# Altium PCB KlusterLab r2.0.PcbDoc (part 10 of 22) (continued)
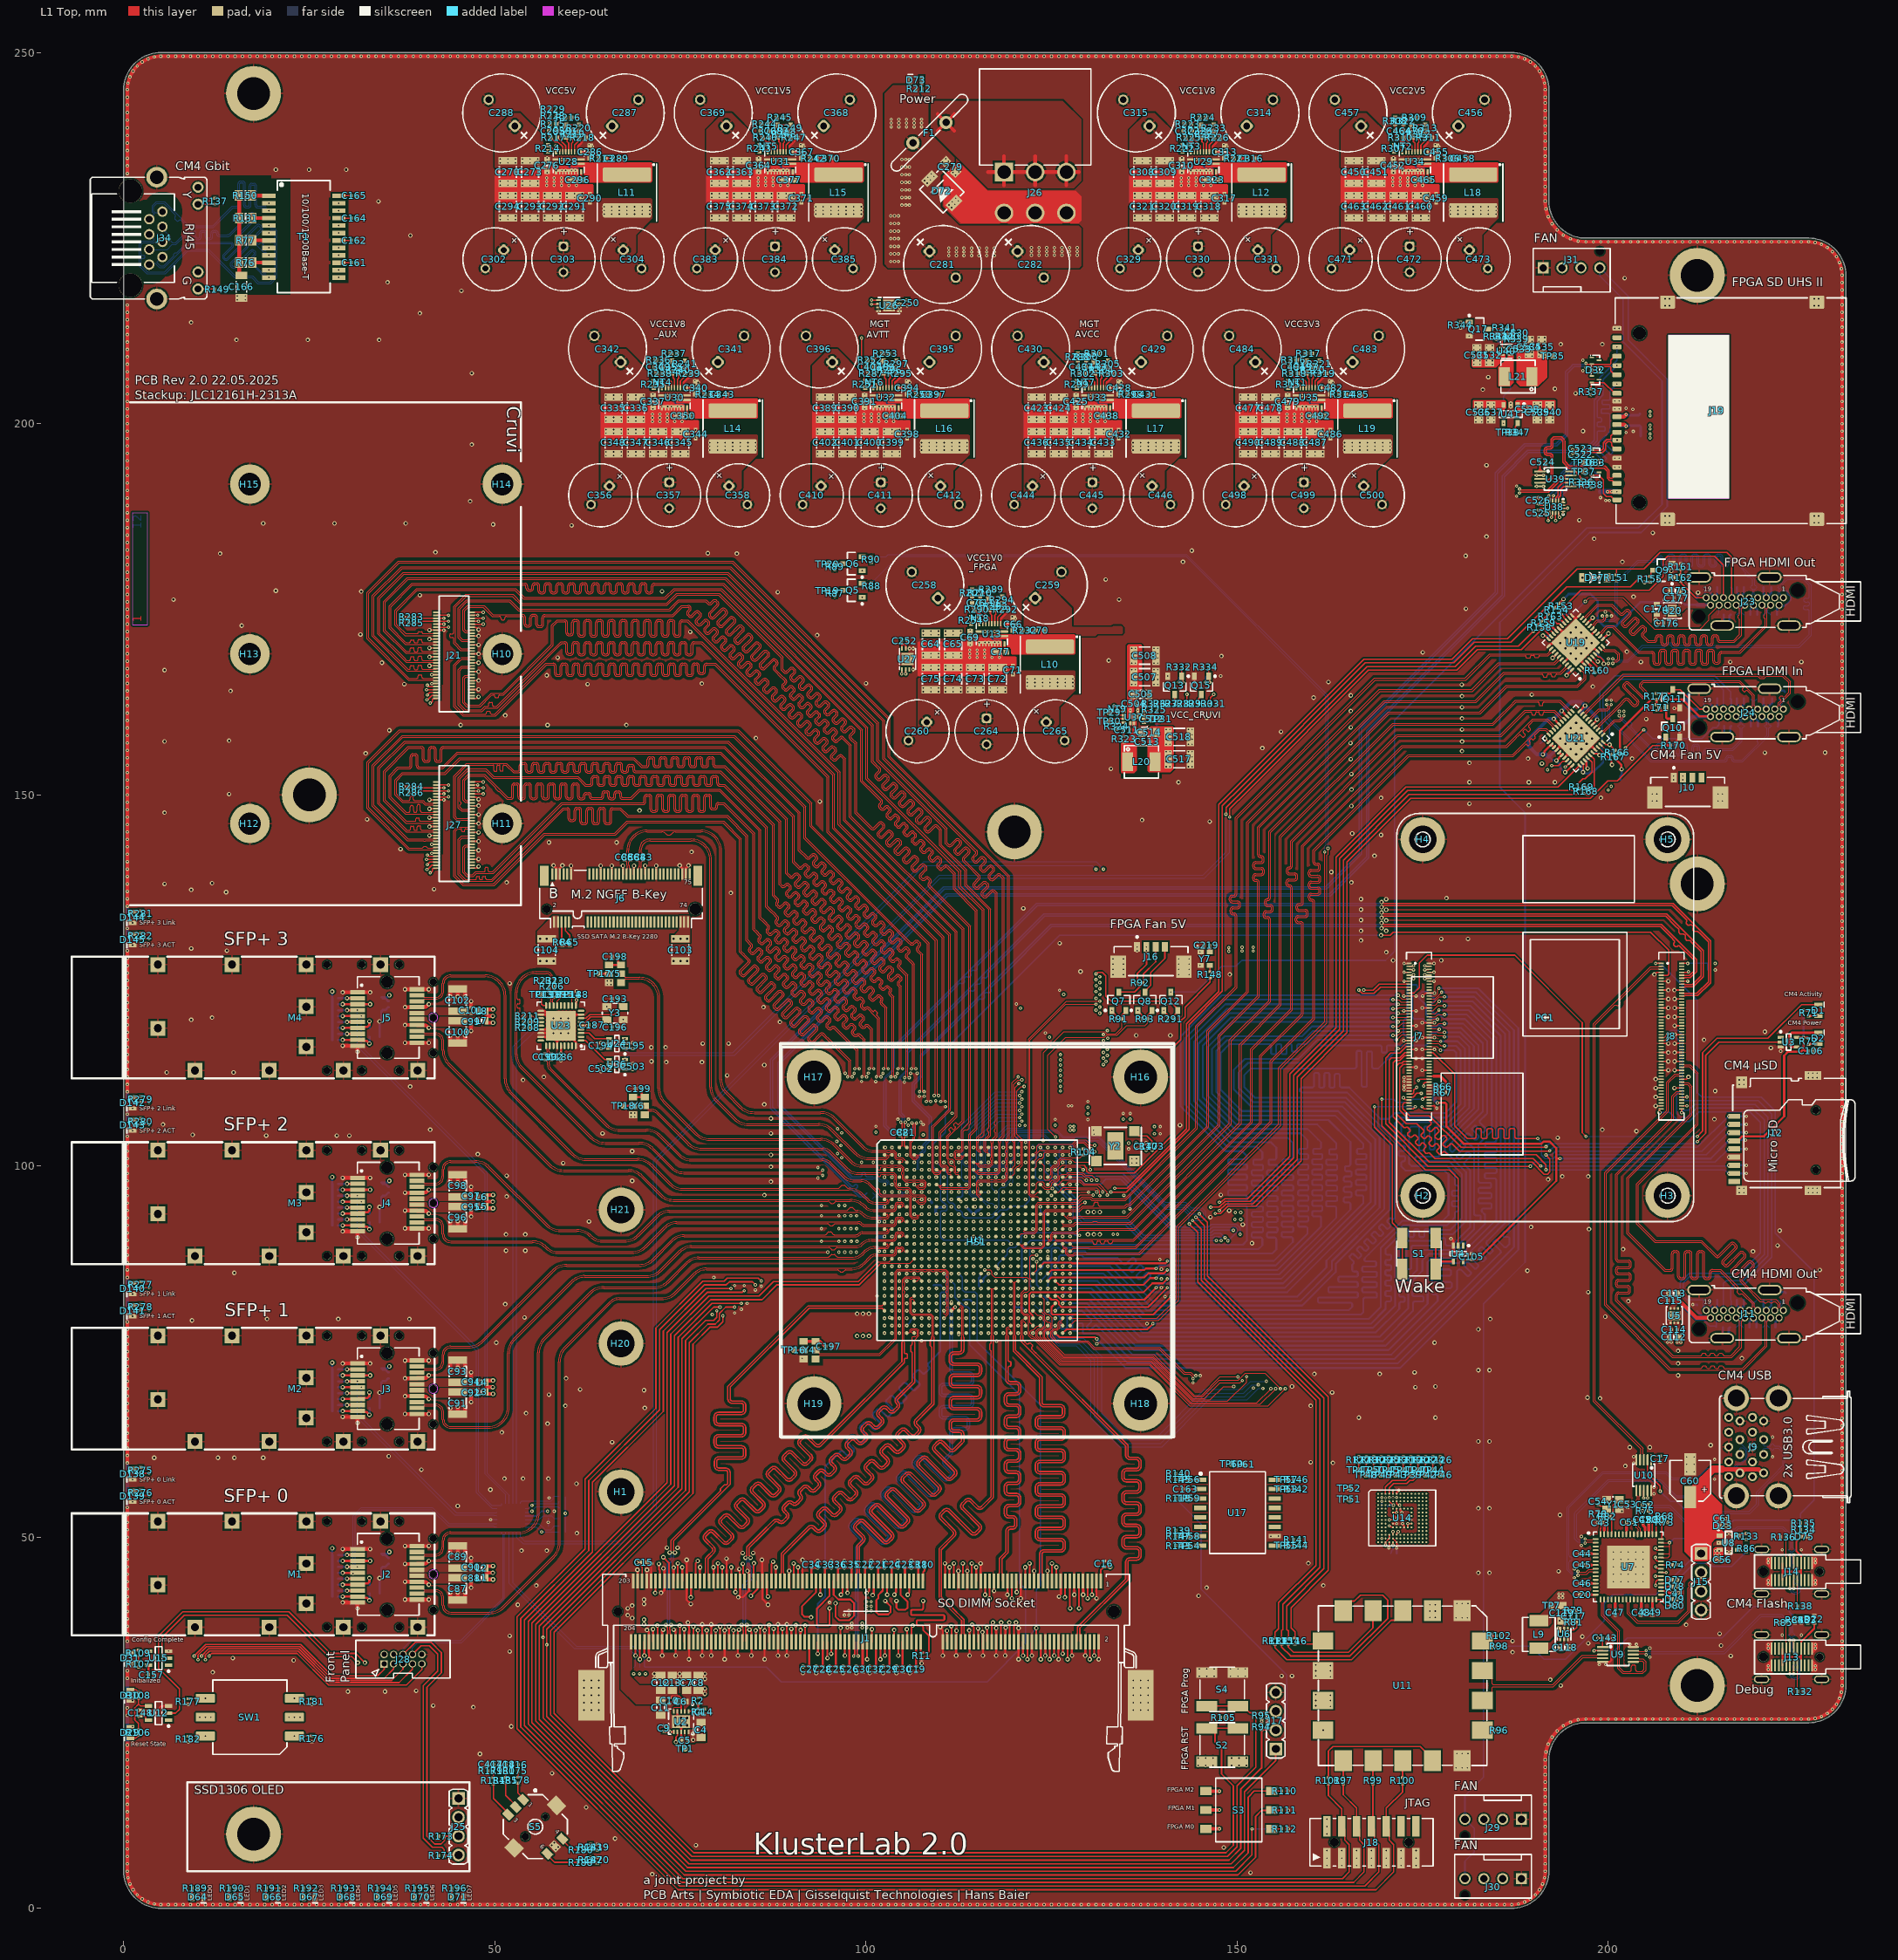
[diagram p0: L1 Top view]
## Nets (pads, with @x,y where several pads share a name; then routed paths per layer and width w, separated by ;. In a path a pad name is that pad's centre, name@x,y a point inside that pad or via, vN(x,y) a via of type N, cw(c..) or ccw(c..) an arc to the next point about the centre after c; other vN are vias at no path point) (continued)
DDR3_CLK1_P: J1.102 U1.AA9 | length 121.3
  L1 Top w0.189: 98.808,34.213 98.808,34.783 98.869,34.844 98.869,35.819 J1.102@98.95,35.9
  L12 Bottom w0.1: v1(110.5,82.5) 110.559,82.5 110.759,82.3 110.924,82.3 111.1,82.124 111.1,81.666 111.1,81.083 111.241,80.941 111.323,80.941
  L12 Bottom w0.189: v1(98.95,34) 98.95,34.071 98.808,34.213 98.808,34.569 98.9,34.662 98.9,48.5 99.283,48.883 99.461,49.061 ccw(c99.028,49.494) 99.461,49.927 98.104,51.284 cw(c98.314,51.494) 98.104,51.704 98.524,52.125 cw(c98.734,51.915) 98.944,52.125 101.82,49.25 ccw(c102.253,49.683) 102.686,49.25 103.106,49.67 ccw(c102.673,50.103) 103.106,50.536 100.231,53.411 cw(c100.441,53.621) 100.231,53.831 100.651,54.252 cw(c100.861,54.042) 101.071,54.252 103.946,51.377 ccw(c104.38,51.81) 104.813,51.377 105.233,51.797 ccw(c104.8,52.23) 105.233,52.663 102.358,55.538 cw(c102.568,55.748) 102.358,55.958 102.778,56.379 cw(c102.988,56.169) 103.198,56.379 106.073,53.504 ccw(c106.507,53.937) 106.94,53.504 107.36,53.924 ccw(c106.927,54.357) 107.36,54.79 104.485,57.665 cw(c104.695,57.875) 104.485,58.085 104.905,58.506 cw(c105.115,58.295) 105.325,58.506 108.2,55.631 ccw(c108.634,56.064) 109.067,55.631 109.487,56.051 ccw(c109.054,56.484) 109.487,56.917 106.612,59.792 cw(c106.822,60.002) 106.612,60.212 107.032,60.633 cw(c107.242,60.422) 107.452,60.633 110.327,57.758 ccw(c110.761,58.191) 111.194,57.758 111.614,58.178 ccw(c111.181,58.611) 111.614,59.044 110.739,59.919 cw(c110.949,60.129) 110.739,60.339 111.616,61.216 111.616,61.962 111.616,62.3 111.615,64.117 cw(c111.913,64.117) 111.913,64.414 113.346,64.414 ccw(c113.346,65.027) 113.959,65.027 113.959,65.621 ccw(c113.346,65.621) 113.346,66.234 110.49,66.234 cw(c110.49,66.531) 110.193,66.531 110.193,67.125 cw(c110.49,67.125) 110.49,67.422 113.895,67.422 ccw(c113.895,68.035) 114.508,68.035 114.508,68.629 ccw(c113.895,68.629) 113.895,69.242 110.49,69.242 cw(c110.49,69.539) 110.193,69.539 110.193,70.133 cw(c110.49,70.133) 110.49,70.43 113.895,70.43 ccw(c113.895,71.043) 114.508,71.043 114.508,71.637 ccw(c113.895,71.637) 113.895,72.25 111.913,72.25 cw(c111.913,72.547) 111.615,72.547 111.615,72.799 111.616,80.649 111.323,80.941
DDR3_D0: J1.5 U1.AB17 | length 91
  L1 Top w0.249: v2(130.45,42.25) J1.5@130.45,44.1
  L3 Inner2 (Sig) w0.154: v1(118.5,81.5) 119,82 121.8,82 122,81.8 122,81.3 122.3,81 125.6,81 126,80.6 126,80.4 126.7,79.7 126.7,79.4 126.7,79.323 ccw(c126.854,79.323) 126.854,79.169 128.245,79.169 cw(c128.245,79.018) 128.396,79.018 128.396,78.716 cw(c128.245,78.716) 128.245,78.565 126.207,78.565 ccw(c126.207,78.414) 126.056,78.414 126.056,78.112 ccw(c126.207,78.112) 126.207,77.961 126.949,77.961 cw(c126.949,77.81) 127.1,77.81 127.1,77.508 cw(c126.949,77.508) 126.949,77.357 126.854,77.357 ccw(c126.854,77.203) 126.7,77.203 126.7,76.472 126.7,76.419 126.7,76.4 127.173,75.927 ccw(c127.282,76.036) 127.391,75.927 127.675,76.211 cw(c127.782,76.105) 127.889,76.211 128.103,75.998 cw(c127.996,75.891) 128.103,75.784 127.7,75.381 ccw(c127.806,75.275) 127.7,75.168 127.913,74.954 ccw(c128.02,75.061) 128.127,74.954 128.53,75.357 ; 128.53,75.357 cw(c128.636,75.25) 128.743,75.357 128.957,75.144 cw(c128.85,75.037) 128.957,74.93 128.554,74.527 ccw(c128.661,74.42) 128.554,74.314 128.767,74.1 ccw(c128.874,74.207) 128.981,74.1 129.384,74.503 cw(c129.491,74.396) 129.597,74.503 129.811,74.289 cw(c129.704,74.183) 129.811,74.076 129.408,73.673 ccw(c129.515,73.566) 129.408,73.459 129.622,73.246 ccw(c129.728,73.353) 129.835,73.246 130.238,73.649 cw(c130.345,73.542) 130.452,73.649 130.665,73.435 cw(c130.558,73.328) 130.665,73.222 130.381,72.937 ccw(c130.49,72.828) 130.381,72.719 130.862,72.238 ; v2(130.45,42.25) 130.9,42.7 ; 130.9,42.7 130.9,72.2 130.9,42.7
DDR3_D1: J1.7 U1.AC18 | length 58.2
  L1 Top w0.249: v2(129.85,41.75) J1.7@129.85,44.1
  L3 Inner2 (Sig) w0.154: v1(119.5,80.5) 120,81 121.8,81 122.2,80.6 123.8,80.6 123.9,80.5 124.4,80 124.569,80 125,79.569 125,78.233 125,78.156 ccw(c125.154,78.156) 125.154,78.002 125.349,78.002 cw(c125.349,77.851) 125.5,77.851 125.5,77.549 cw(c125.349,77.549) 125.349,77.398 125.099,77.398 ccw(c125.099,77.247) 124.948,77.247 124.948,76.945 ccw(c125.099,76.945) 125.099,76.794 125.349,76.794 cw(c125.349,76.643) 125.5,76.643 125.5,76.341 cw(c125.349,76.341) 125.349,76.19 125.154,76.19 ccw(c125.154,76.036) 125,76.036 125,75.7 125.109,75.591 125.164,75.536 ccw(c125.272,75.645) 125.381,75.536 125.909,76.064 cw(c126.015,75.957) 126.122,76.064 126.336,75.85 cw(c126.229,75.743) 126.336,75.637 125.703,75.004 ccw(c125.81,74.897) 125.703,74.79 125.916,74.577 ccw(c126.023,74.683) 126.13,74.577 126.763,75.209 cw(c126.87,75.103) 126.976,75.209 127.19,74.996 cw(c127.083,74.889) 127.19,74.782 126.557,74.149 ccw(c126.664,74.043) 126.557,73.936 126.771,73.722 ccw(c126.877,73.829) 126.984,73.722 127.617,74.355 cw(c127.724,74.248) 127.831,74.355 128.044,74.142 cw(c127.937,74.035) 128.044,73.928 127.517,73.401 ccw(c127.626,73.292) 127.517,73.183 127.913,72.788 128,72.7 128,50 129.85,48.15 129.85,47.213 129.85,47.136 ccw(c130.004,47.136) 130.004,46.982 130.199,46.982 cw(c130.199,46.831) 130.35,46.831 130.35,46.529 cw(c130.199,46.529) 130.199,46.378 129.983,46.378 ccw(c129.983,46.226) 129.832,46.226 129.832,45.924 ccw(c129.983,45.924) 129.983,45.773 130.199,45.773 cw(c130.199,45.622) 130.35,45.622 130.35,45.32 cw(c130.199,45.32) 130.199,45.169 129.983,45.169 ccw(c129.983,45.018) 129.832,45.018 129.832,44.716 ccw(c129.983,44.716) 129.983,44.565 130.081,44.565 cw(c130.081,44.414) 130.232,44.414 130.232,44.112 cw(c130.081,44.112) 130.081,43.961 130.004,43.961 ccw(c130.004,43.807) 129.85,43.807 129.85,42.8 v2(129.85,41.75)
DDR3_D2: J1.15 U1.AC17 | length 61.7
  L1 Top w0.249: J1.15@127.45,44.1 127.475,44.075 127.475,40.425 v2(127.5,40.4)
  L3 Inner2 (Sig) w0.154: v1(118.5,80.5) 118.518,80.482 118.818,80.482 119.3,80 120.8,80 121.5,79.3 122.9,79.3 124,78.2 124,74.2 124.15,74.05 124.204,73.996 ccw(c124.313,74.104) 124.422,73.996 124.684,74.257 cw(c124.79,74.15) 124.897,74.257 125.111,74.043 cw(c125.004,73.936) 125.111,73.83 124.705,73.424 ccw(c124.811,73.317) 124.705,73.21 124.918,72.997 ccw(c125.025,73.103) 125.132,72.997 125.538,73.403 cw(c125.645,73.296) 125.751,73.403 125.965,73.189 cw(c125.858,73.082) 125.965,72.975 125.559,72.569 ccw(c125.666,72.463) 125.559,72.356 125.772,72.142 ccw(c125.879,72.249) 125.986,72.142 126.368,72.524 cw(c126.475,72.418) 126.582,72.524 126.795,72.311 cw(c126.688,72.204) 126.795,72.097 126.558,71.86 ccw(c126.667,71.751) 126.558,71.642 126.925,71.275 127,71.2 127,49.3 128,48.3 128,47.122 128,46.441 cw(c127.846,46.441) 127.846,46.287 127.808,46.287 ccw(c127.808,46.136) 127.657,46.136 127.657,45.834 ccw(c127.808,45.834) 127.808,45.683 128.134,45.683 cw(c128.134,45.532) 128.285,45.532 128.285,45.23 cw(c128.134,45.23) 128.134,45.079 127.808,45.079 ccw(c127.808,44.928) 127.657,44.928 127.657,44.626 ccw(c127.808,44.626) 127.808,44.475 127.846,44.475 cw(c127.846,44.321) 128,44.321 128,43.514 128,43.5 127.45,42.95 127.45,41.55 126.4,40.5 126.4,39.6 127,39 127,38.2 127.2,38 127.8,38 127.936,38.136 127.936,39.964 v2(127.5,40.4)
DDR3_D3: J1.17 U1.AD19 | length 59.2
  L1 Top w0.249: v2(126.8,41.9) 126.825,41.925 126.825,44.075 J1.17@126.85,44.1
  L3 Inner2 (Sig) w0.154: v1(120.5,79.5) 120.556,79.444 120.956,79.444 121.5,78.9 122.8,78.9 123.5,78.2 123.5,73.4 126.5,70.4 126.5,49.1 126.85,48.75 126.85,48.5 126.85,48.423 ccw(c127.004,48.423) 127.004,48.269 127.185,48.269 cw(c127.185,48.118) 127.336,48.118 127.336,47.816 cw(c127.185,47.816) 127.185,47.665 125.075,47.665 ccw(c125.075,47.514) 124.924,47.514 124.924,47.212 ccw(c125.075,47.212) 125.075,47.061 127.185,47.061 cw(c127.185,46.91) 127.336,46.91 127.336,46.608 cw(c127.185,46.608) 127.185,46.457 126.278,46.457 ccw(c126.278,46.306) 126.127,46.306 126.127,46.004 ccw(c126.278,46.004) 126.278,45.853 127.185,45.853 cw(c127.185,45.702) 127.336,45.702 127.336,45.4 cw(c127.185,45.4) 127.185,45.249 125.074,45.249 ccw(c125.074,45.098) 124.923,45.098 124.923,44.796 ccw(c125.074,44.796) 125.074,44.645 127.045,44.645 cw(c127.045,44.494) 127.196,44.494 127.196,44.192 cw(c127.045,44.192) 127.045,44.041 124.907,44.041 ccw(c124.907,43.89) 124.756,43.89 124.756,43.588 ccw(c124.907,43.588) 124.907,43.437 126.696,43.437 cw(c126.696,43.283) 126.85,43.283 126.85,42.7 126.85,41.95 v2(126.8,41.9)
DDR3_D4: J1.4 U1.AA19 | length 60.7
  L1 Top w0.249: v2(130.75,34.05) J1.4@130.75,35.9
  L3 Inner2 (Sig) w0.154: v1(120.5,82.5) 121,83 125.1,83 126.1,82 127.7,82 132.1,77.6 132.1,41 130.75,39.65 130.75,39.4 130.75,39.323 ccw(c130.904,39.323) 130.904,39.169 131.054,39.169 cw(c131.054,39.018) 131.205,39.018 131.205,38.716 cw(c131.054,38.716) 131.054,38.565 130.904,38.565 ccw(c130.904,38.411) 130.75,38.411 130.75,35.3 v2(130.75,34.05)
DDR3_D5: J1.6 U1.AA20 | length 58.8
  L1 Top w0.249: v2(130.15,33.55) J1.6@130.15,35.9
  L3 Inner2 (Sig) w0.154: v1(121.5,82.5) 121.518,82.482 121.818,82.482 122.3,82 125.2,82 126.2,81 127.7,81 131.6,77.1 131.6,41.2 130.15,39.75 v2(130.15,33.55)
DDR3_D6: J1.16 U1.AD18 | length 58.1
  L1 Top w0.249: v2(127.15,33.55) J1.16@127.15,35.9
  L3 Inner2 (Sig) w0.154: v1(119.5,79.5) 120,79 120.8,79 121.35,78.45 122.45,78.45 123,77.9 123,72.7 126,69.7 126,49.1 123.9,47 123.9,40.6 124.1,40.4 124.154,40.346 ccw(c124.263,40.454) 124.372,40.346 124.51,40.483 cw(c124.617,40.377) 124.724,40.483 124.937,40.27 cw(c124.831,40.163) 124.937,40.056 124.444,39.563 ccw(c124.551,39.456) 124.444,39.349 124.657,39.136 ccw(c124.764,39.242) 124.871,39.136 125.364,39.629 cw(c125.471,39.522) 125.578,39.629 125.792,39.416 cw(c125.685,39.309) 125.792,39.202 125.323,38.734 ccw(c125.43,38.627) 125.323,38.52 125.537,38.307 ccw(c125.644,38.413) 125.75,38.307 126.081,38.637 cw(c126.188,38.53) 126.294,38.637 126.508,38.424 cw(c126.401,38.317) 126.508,38.21 ccw(c126.617,38.101) 126.508,37.992 126.85,37.65 127.15,37.35 v2(127.15,33.55)
DDR3_D7: J1.18 U1.AC16 | length 58.4
  L1 Top w0.249: v2(126.5,34.3) 126.525,34.325 126.525,35.875 J1.18@126.55,35.9
  L3 Inner2 (Sig) w0.154: v1(117.5,80.5) 118,80 118.7,80 119,79.7 119,79.2 120.2,78 121.7,78 122,77.7 122,72.4 125.5,68.9 125.5,49.5 123.4,47.4 123.4,38.9 123.531,38.769 124.012,38.288 cw(c123.904,38.179) 124.012,38.07 123.633,37.69 ccw(c123.739,37.583) 123.633,37.476 123.846,37.263 ccw(c123.953,37.369) 124.06,37.263 124.491,37.694 cw(c124.598,37.587) 124.704,37.694 124.918,37.48 cw(c124.811,37.373) 124.918,37.267 124.487,36.836 ccw(c124.594,36.729) 124.487,36.622 124.7,36.408 ccw(c124.807,36.515) 124.914,36.408 125.345,36.84 cw(c125.452,36.733) 125.559,36.84 125.772,36.626 cw(c125.665,36.519) 125.772,36.412 125.597,36.237 ccw(c125.704,36.13) 125.597,36.024 125.81,35.81 ccw(c125.917,35.917) 126.024,35.81 126.148,35.934 cw(c126.257,35.825) 126.366,35.934 126.55,35.75 126.55,35.606 126.55,34.35 v2(126.5,34.3)
DDR3_D8: J1.21 U1.V16 | length 65.4
  L1 Top w0.249: J1.21@125.65,44.1 v2(125.65,45.95)
  L10 Inner9 (Sig) w0.154: v1(117.5,85.5) 117.525,85.525 117.956,85.525 118.431,86 119,86 119.8,86 120,86.2 124.1,86.2 124.3,86 127.569,86 130,83.569 130,73.7 130,50.3 129.75,50.05 127.931,48.231 ccw(c128.04,48.122) 127.931,48.013 129.359,46.584 cw(c129.252,46.478) 129.359,46.371 129.146,46.157 cw(c129.039,46.264) 128.932,46.157 127.346,47.743 ccw(c127.24,47.636) 127.133,47.743 126.919,47.529 ccw(c127.026,47.423) 126.919,47.316 128.871,45.364 cw(c128.764,45.257) 128.871,45.15 128.658,44.937 cw(c128.551,45.044) 128.444,44.937 126.649,46.732 ccw(c126.54,46.623) 126.432,46.732 125.95,46.25 v2(125.65,45.95)
DDR3_D9: J1.23 U1.V18 | length 70.6
  L1 Top w0.249: J1.23@125.05,44.1 v2(125.05,46.45)
  L10 Inner9 (Sig) w0.154: v1(119.5,85.5) 119.518,85.518 119.818,85.518 120.202,85.902 121.898,85.902 121.9,85.9 122.932,85.9 122.934,85.902 123.898,85.902 124.8,85 127.8,85 129.5,83.3 129.5,75 129.5,63.1 129.5,62.699 cw(c129.346,62.699) 129.346,62.545 129.151,62.545 ccw(c129.151,62.394) 129,62.394 129,62.092 ccw(c129.151,62.092) 129.151,61.941 129.386,61.941 cw(c129.386,61.79) 129.537,61.79 129.537,61.488 cw(c129.386,61.488) 129.386,61.337 129.151,61.337 ccw(c129.151,61.186) 129,61.186 129,60.884 ccw(c129.151,60.884) 129.151,60.733 129.386,60.733 cw(c129.386,60.582) 129.537,60.582 129.537,60.28 cw(c129.386,60.28) 129.386,60.129 129.151,60.129 ccw(c129.151,59.978) 129,59.978 129,59.676 ccw(c129.151,59.676) 129.151,59.525 129.386,59.525 cw(c129.386,59.374) 129.537,59.374 129.537,59.072 cw(c129.386,59.072) 129.386,58.921 129.151,58.921 ccw(c129.151,58.77) 129,58.77 129,58.468 ccw(c129.151,58.468) 129.151,58.317 129.386,58.317 cw(c129.386,58.166) 129.537,58.166 129.537,57.864 cw(c129.386,57.864) 129.386,57.713 129.151,57.713 ccw(c129.151,57.562) 129,57.562 129,57.26 ccw(c129.151,57.26) 129.151,57.109 129.386,57.109 cw(c129.386,56.958) 129.537,56.958 129.537,56.656 cw(c129.386,56.656) 129.386,56.505 129.151,56.505 ccw(c129.151,56.354) 129,56.354 129,56.052 ccw(c129.151,56.052) 129.151,55.901 129.386,55.901 cw(c129.386,55.75) 129.537,55.75 129.537,55.448 cw(c129.386,55.448) 129.386,55.297 129.151,55.297 ccw(c129.151,55.146) 129,55.146 129,54.844 ccw(c129.151,54.844) 129.151,54.693 129.386,54.693 cw(c129.386,54.542) 129.537,54.542 129.537,54.24 cw(c129.386,54.24) 129.386,54.089 129.151,54.089 ccw(c129.151,53.938) 129,53.938 129,53.636 ccw(c129.151,53.636) 129.151,53.485 129.346,53.485 cw(c129.346,53.331) 129.5,53.331 129.5,53.254 129.5,53 129.3,52.8 128.958,52.458 ccw(c129.067,52.349) 128.958,52.24 129.639,51.559 cw(c129.532,51.453) 129.639,51.346 129.426,51.132 cw(c129.319,51.239) 129.212,51.132 128.395,51.95 ccw(c128.288,51.843) 128.181,51.95 127.968,51.736 ccw(c128.074,51.629) 127.968,51.523 128.972,50.518 cw(c128.866,50.411) 128.972,50.304 128.759,50.091 cw(c128.652,50.197) 128.545,50.091 127.541,51.095 ccw(c127.434,50.989) 127.327,51.095 127.113,50.882 ccw(c127.22,50.775) 127.113,50.668 128.118,49.664 cw(c128.012,49.557) 128.118,49.45 127.905,49.236 cw(c127.798,49.343) 127.691,49.236 126.686,50.241 ccw(c126.58,50.135) 126.473,50.241 126.259,50.028 ccw(c126.366,49.921) 126.259,49.814 127.264,48.809 cw(c127.157,48.703) 127.264,48.596 127.051,48.382 cw(c126.944,48.489) 126.837,48.382 125.969,49.251 ccw(c125.86,49.142) 125.751,49.251 125.269,48.769 125.05,48.55 v2(125.05,46.45)
DDR3_D10: J1.33 U1.AB20 | length 66.8
  L1 Top w0.249: J1.33@122.05,44.1 v2(122.05,46.45)
  L10 Inner9 (Sig) w0.154: v1(121.5,81.5) 121.557,81.443 121.857,81.443 122.3,81 123.6,81 124,80.6 124,76.7 124.8,75.9 124.8,75.7 124.8,72.434 ccw(c124.954,72.434) 124.954,72.28 125.204,72.28 cw(c125.204,72.129) 125.355,72.129 125.355,71.827 cw(c125.204,71.827) 125.204,71.676 124.507,71.676 ccw(c124.507,71.525) 124.356,71.525 124.356,71.223 ccw(c124.507,71.223) 124.507,71.072 125.204,71.072 cw(c125.204,70.921) 125.355,70.921 125.355,70.619 cw(c125.204,70.619) 125.204,70.468 124.507,70.468 ccw(c124.507,70.317) 124.356,70.317 124.356,70.015 ccw(c124.507,70.015) 124.507,69.864 125.204,69.864 cw(c125.204,69.713) 125.355,69.713 125.355,69.411 cw(c125.204,69.411) 125.204,69.26 124.507,69.26 ccw(c124.507,69.109) 124.356,69.109 124.356,68.807 ccw(c124.507,68.807) 124.507,68.656 125.204,68.656 cw(c125.204,68.505) 125.355,68.505 125.355,68.203 cw(c125.204,68.203) 125.204,68.052 124.507,68.052 ccw(c124.507,67.901) 124.356,67.901 124.356,67.599 ccw(c124.507,67.599) 124.507,67.448 125.204,67.448 cw(c125.204,67.297) 125.355,67.297 125.355,66.995 cw(c125.204,66.995) 125.204,66.844 124.507,66.844 ccw(c124.507,66.693) 124.356,66.693 124.356,66.391 ccw(c124.507,66.391) 124.507,66.24 125.204,66.24 cw(c125.204,66.089) 125.355,66.089 125.355,65.787 cw(c125.204,65.787) 125.204,65.636 124.507,65.636 ccw(c124.507,65.485) 124.356,65.485 124.356,65.183 ccw(c124.507,65.183) 124.507,65.032 125.204,65.032 cw(c125.204,64.881) 125.355,64.881 125.355,64.579 cw(c125.204,64.579) 125.204,64.428 124.507,64.428 ccw(c124.507,64.277) 124.356,64.277 124.356,63.975 ccw(c124.507,63.975) 124.507,63.824 125.204,63.824 cw(c125.204,63.673) 125.355,63.673 125.355,63.371 cw(c125.204,63.371) 125.204,63.22 124.507,63.22 ccw(c124.507,63.069) 124.356,63.069 124.356,62.767 ccw(c124.507,62.767) 124.507,62.616 125.204,62.616 cw(c125.204,62.465) 125.355,62.465 125.355,62.163 cw(c125.204,62.163) 125.204,62.012 124.507,62.012 ccw(c124.507,61.861) 124.356,61.861 124.356,61.559 ccw(c124.507,61.559) 124.507,61.408 125.204,61.408 cw(c125.204,61.257) 125.355,61.257 125.355,60.955 cw(c125.204,60.955) 125.204,60.804 124.507,60.804 ccw(c124.507,60.653) 124.356,60.653 124.356,60.351 ccw(c124.507,60.351) 124.507,60.2 125.204,60.2 cw(c125.204,60.049) 125.355,60.049 125.355,59.747 cw(c125.204,59.747) 125.204,59.596 124.507,59.596 ccw(c124.507,59.445) 124.356,59.445 124.356,59.143 ccw(c124.507,59.143) 124.507,58.992 125.204,58.992 cw(c125.204,58.841) 125.355,58.841 125.355,58.539 cw(c125.204,58.539) 125.204,58.388 124.507,58.388 ccw(c124.507,58.237) 124.356,58.237 124.356,57.935 ccw(c124.507,57.935) 124.507,57.784 125.204,57.784 cw(c125.204,57.633) 125.355,57.633 125.355,57.331 cw(c125.204,57.331) 125.204,57.18 124.507,57.18 ccw(c124.507,57.029) 124.356,57.029 124.356,56.727 ccw(c124.507,56.727) 124.507,56.576 125.204,56.576 cw(c125.204,56.425) 125.355,56.425 125.355,56.123 cw(c125.204,56.123) 125.204,55.972 124.507,55.972 ccw(c124.507,55.821) 124.356,55.821 124.356,55.519 ccw(c124.507,55.519) 124.507,55.368 125.204,55.368 cw(c125.204,55.217) 125.355,55.217 125.355,54.915 cw(c125.204,54.915) 125.204,54.764 124.507,54.764 ccw(c124.507,54.613) 124.356,54.613 124.356,54.311 ccw(c124.507,54.311) 124.507,54.16 124.646,54.16 cw(c124.646,54.006) 124.8,54.006 124.8,53.929 124.8,53.6 122.05,50.85 v2(122.05,46.45)
DDR3_D11: J1.35 U1.AB19 | length 68.3
  L1 Top w0.249: J1.35@121.45,44.1 v2(121.45,45.95)
  L10 Inner9 (Sig) w0.154: v1(120.5,81.5) 120.556,81.444 120.856,81.444 121.3,81 121.8,81 122.95,79.85 122.95,79.25 123.5,78.7 123.5,74.8 123.5,74.702 123.5,71.901 cw(c123.346,71.901) 123.346,71.747 123.051,71.747 ccw(c123.051,71.596) 122.9,71.596 122.9,71.294 ccw(c123.051,71.294) 123.051,71.143 123.489,71.143 cw(c123.489,70.992) 123.64,70.992 123.64,70.69 cw(c123.489,70.69) 123.489,70.539 122.684,70.539 ccw(c122.684,70.388) 122.533,70.388 122.533,70.086 ccw(c122.684,70.086) 122.684,69.935 123.489,69.935 cw(c123.489,69.784) 123.64,69.784 123.64,69.482 cw(c123.489,69.482) 123.489,69.331 122.684,69.331 ccw(c122.684,69.18) 122.533,69.18 122.533,68.878 ccw(c122.684,68.878) 122.684,68.727 123.489,68.727 cw(c123.489,68.576) 123.64,68.576 123.64,68.274 cw(c123.489,68.274) 123.489,68.123 122.684,68.123 ccw(c122.684,67.972) 122.533,67.972 122.533,67.67 ccw(c122.684,67.67) 122.684,67.519 123.489,67.519 cw(c123.489,67.368) 123.64,67.368 123.64,67.066 cw(c123.489,67.066) 123.489,66.915 122.684,66.915 ccw(c122.684,66.764) 122.533,66.764 122.533,66.462 ccw(c122.684,66.462) 122.684,66.311 123.489,66.311 cw(c123.489,66.16) 123.64,66.16 123.64,65.858 cw(c123.489,65.858) 123.489,65.707 122.684,65.707 ccw(c122.684,65.556) 122.533,65.556 122.533,65.254 ccw(c122.684,65.254) 122.684,65.103 123.489,65.103 cw(c123.489,64.952) 123.64,64.952 123.64,64.65 cw(c123.489,64.65) 123.489,64.499 122.684,64.499 ccw(c122.684,64.348) 122.533,64.348 122.533,64.046 ccw(c122.684,64.046) 122.684,63.895 123.489,63.895 cw(c123.489,63.744) 123.64,63.744 123.64,63.442 cw(c123.489,63.442) 123.489,63.291 122.684,63.291 ccw(c122.684,63.14) 122.533,63.14 122.533,62.838 ccw(c122.684,62.838) 122.684,62.687 123.489,62.687 cw(c123.489,62.536) 123.64,62.536 123.64,62.234 cw(c123.489,62.234) 123.489,62.083 122.684,62.083 ccw(c122.684,61.932) 122.533,61.932 122.533,61.63 ccw(c122.684,61.63) 122.684,61.479 123.489,61.479 cw(c123.489,61.328) 123.64,61.328 123.64,61.026 cw(c123.489,61.026) 123.489,60.875 122.684,60.875 ccw(c122.684,60.724) 122.533,60.724 122.533,60.422 ccw(c122.684,60.422) 122.684,60.271 123.489,60.271 cw(c123.489,60.12) 123.64,60.12 123.64,59.818 cw(c123.489,59.818) 123.489,59.667 122.684,59.667 ccw(c122.684,59.516) 122.533,59.516 122.533,59.214 ccw(c122.684,59.214) 122.684,59.063 123.489,59.063 cw(c123.489,58.912) 123.64,58.912 123.64,58.61 cw(c123.489,58.61) 123.489,58.459 122.684,58.459 ccw(c122.684,58.308) 122.533,58.308 122.533,58.006 ccw(c122.684,58.006) 122.684,57.855 123.489,57.855 cw(c123.489,57.704) 123.64,57.704 123.64,57.402 cw(c123.489,57.402) 123.489,57.251 122.684,57.251 ccw(c122.684,57.1) 122.533,57.1 122.533,56.798 ccw(c122.684,56.798) 122.684,56.647 123.489,56.647 cw(c123.489,56.496) 123.64,56.496 123.64,56.194 cw(c123.489,56.194) 123.489,56.043 122.684,56.043 ccw(c122.684,55.892) 122.533,55.892 122.533,55.59 ccw(c122.684,55.59) 122.684,55.439 123.489,55.439 cw(c123.489,55.288) 123.64,55.288 123.64,54.986 cw(c123.489,54.986) 123.489,54.835 122.684,54.835 ccw(c122.684,54.684) 122.533,54.684 122.533,54.382 ccw(c122.684,54.382) 122.684,54.231 123.346,54.231 cw(c123.346,54.077) 123.5,54.077 123.5,54 123.5,53.3 121.45,51.25 v2(121.45,45.95)
DDR3_D12: J1.22 U1.W15 | length 71.3
  L1 Top w0.249: v2(125.35,34.05) J1.22@125.35,35.9
  L10 Inner9 (Sig) w0.154: v1(116.5,84.5) 117,85 117,86.2 117.65,86.85 117.998,86.85 118.148,87 119.7,87 120.1,86.6 124,86.6 124.4,87 127.6,87 130.5,84.1 130.5,74.6 130.5,45.7 127.5,42.7 127.5,41.3 125.35,39.15 v2(125.35,34.05)
DDR3_D13: J1.24 U1.V19 | length 70.3
  L1 Top w0.249: v2(124.75,33.55) J1.24@124.75,35.9
  L10 Inner9 (Sig) w0.154: v1(120.5,85.5) 120.518,85.482 120.818,85.482 121.3,85 124,85 124.5,84.5 125.9,84.5 126.4,84 127.8,84 129,82.8 129,75.6 129,74.652 cw(c128.846,74.652) 128.846,74.498 128.651,74.498 ccw(c128.651,74.347) 128.5,74.347 128.5,74.045 ccw(c128.651,74.045) 128.651,73.894 128.851,73.894 cw(c128.851,73.743) 129.002,73.743 129.002,73.441 cw(c128.851,73.441) 128.851,73.29 128.651,73.29 ccw(c128.651,73.139) 128.5,73.139 128.5,72.837 ccw(c128.651,72.837) 128.651,72.686 128.851,72.686 cw(c128.851,72.535) 129.002,72.535 129.002,72.233 cw(c128.851,72.233) 128.851,72.082 128.651,72.082 ccw(c128.651,71.931) 128.5,71.931 128.5,71.629 ccw(c128.651,71.629) 128.651,71.478 128.851,71.478 cw(c128.851,71.327) 129.002,71.327 129.002,71.025 cw(c128.851,71.025) 128.851,70.874 128.651,70.874 ccw(c128.651,70.723) 128.5,70.723 128.5,70.421 ccw(c128.651,70.421) 128.651,70.27 128.851,70.27 cw(c128.851,70.119) 129.002,70.119 129.002,69.817 cw(c128.851,69.817) 128.851,69.666 128.651,69.666 ccw(c128.651,69.515) 128.5,69.515 128.5,69.213 ccw(c128.651,69.213) 128.651,69.062 128.851,69.062 cw(c128.851,68.911) 129.002,68.911 129.002,68.609 cw(c128.851,68.609) 128.851,68.458 128.651,68.458 ccw(c128.651,68.307) 128.5,68.307 128.5,68.005 ccw(c128.651,68.005) 128.651,67.854 128.851,67.854 cw(c128.851,67.703) 129.002,67.703 129.002,67.401 cw(c128.851,67.401) 128.851,67.25 128.651,67.25 ccw(c128.651,67.099) 128.5,67.099 128.5,66.797 ccw(c128.651,66.797) 128.651,66.646 128.851,66.646 cw(c128.851,66.495) 129.002,66.495 129.002,66.193 cw(c128.851,66.193) 128.851,66.042 128.651,66.042 ccw(c128.651,65.891) 128.5,65.891 128.5,65.589 ccw(c128.651,65.589) 128.651,65.438 128.851,65.438 cw(c128.851,65.287) 129.002,65.287 129.002,64.985 cw(c128.851,64.985) 128.851,64.834 128.651,64.834 ccw(c128.651,64.683) 128.5,64.683 128.5,64.381 ccw(c128.651,64.381) 128.651,64.23 128.846,64.23 cw(c128.846,64.076) 129,64.076 129,63.999 129,63.5 128.5,63 128.5,53.2 124.5,49.2 124.5,46.142 125.2,45.442 125.2,39.9 124.75,39.45 v2(124.75,33.55)
DDR3_D14: J1.34 U1.W16 | length 71.5
  L1 Top w0.249: v2(121.75,33.55) J1.34@121.75,35.9
  L10 Inner9 (Sig) w0.154: v1(117.5,84.5) 118,85 118.9,85 119.2,84.7 120.3,84.7 121.5,83.5 121.8,83.5 122.3,83 125,83 126,82 127.7,82 128,81.7 128,80.3 127.6,79.9 127.1,79.9 126.5,79.3 126.5,79.1 126.5,79.023 ccw(c126.654,79.023) 126.654,78.869 127.248,78.869 cw(c127.248,78.718) 127.399,78.718 127.399,78.416 cw(c127.248,78.416) 127.248,78.265 126.141,78.265 ccw(c126.141,78.114) 125.99,78.114 125.99,77.812 ccw(c126.141,77.812) 126.141,77.661 126.346,77.661 cw(c126.346,77.507) 126.5,77.507 126.5,76.9 127.3,76.1 127.3,75.9 127.3,75.201 cw(c127.146,75.201) 127.146,75.047 ccw(c127.146,74.896) 126.995,74.896 126.995,74.594 ccw(c127.146,74.594) 127.146,74.443 127.258,74.443 cw(c127.258,74.292) 127.409,74.292 127.409,73.99 cw(c127.258,73.99) 127.258,73.839 ccw(c127.258,73.688) 127.107,73.688 127.107,73.386 ccw(c127.258,73.386) 127.258,73.235 cw(c127.258,73.084) 127.409,73.084 127.409,72.782 cw(c127.258,72.782) 127.258,72.631 127.056,72.631 ccw(c127.056,72.48) 126.905,72.48 126.905,72.178 ccw(c127.056,72.178) 127.056,72.027 127.258,72.027 cw(c127.258,71.876) 127.409,71.876 127.409,71.574 cw(c127.258,71.574) 127.258,71.423 127.051,71.423 ccw(c127.051,71.272) 126.9,71.272 126.9,70.97 ccw(c127.051,70.97) 127.051,70.819 127.258,70.819 cw(c127.258,70.668) 127.409,70.668 127.409,70.366 cw(c127.258,70.366) 127.258,70.215 127.051,70.215 ccw(c127.051,70.064) 126.9,70.064 126.9,69.762 ccw(c127.051,69.762) 127.051,69.611 127.146,69.611 cw(c127.146,69.457) 127.3,69.457 127.3,69.38 127.3,54.1 126.4,53.2 123.2,50 123.2,42.3 121.75,40.85 v2(121.75,33.55)
DDR3_D15: J1.36 U1.Y17 | length 68.1
  L1 Top w0.249: v2(121.15,34.05) J1.36@121.15,35.9
  L10 Inner9 (Sig) w0.154: v1(118.5,83.5) 119,84 120.6,84 121,83.6 121,83.4 121.4,83 121.7,83 122,82.7 122,82.3 122.3,82 124.7,82 125,81.7 125,76.8 126.3,75.5 126.3,75.1 126.3,66.596 ccw(c126.454,66.596) 126.454,66.442 cw(c126.454,66.291) 126.605,66.291 126.605,65.989 cw(c126.454,65.989) 126.454,65.838 126.3,65.838 ccw(c126.3,65.687) 126.149,65.687 126.149,65.385 ccw(c126.3,65.385) 126.3,65.234 126.418,65.234 cw(c126.418,65.083) 126.569,65.083 126.569,64.781 cw(c126.418,64.781) 126.418,64.63 126.149,64.63 ccw(c126.149,64.479) 125.998,64.479 125.998,64.177 ccw(c126.149,64.177) 126.149,64.026 126.475,64.026 cw(c126.475,63.875) 126.626,63.875 126.626,63.573 cw(c126.475,63.573) 126.475,63.422 126.149,63.422 ccw(c126.149,63.271) 125.998,63.271 125.998,62.969 ccw(c126.149,62.969) 126.149,62.818 126.475,62.818 cw(c126.475,62.667) 126.626,62.667 126.626,62.365 cw(c126.475,62.365) 126.475,62.214 126.149,62.214 ccw(c126.149,62.063) 125.998,62.063 125.998,61.761 ccw(c126.149,61.761) 126.149,61.61 126.475,61.61 cw(c126.475,61.459) 126.626,61.459 126.626,61.157 cw(c126.475,61.157) 126.475,61.006 126.149,61.006 ccw(c126.149,60.855) 125.998,60.855 125.998,60.553 ccw(c126.149,60.553) 126.149,60.402 126.475,60.402 cw(c126.475,60.251) 126.626,60.251 126.626,59.949 cw(c126.475,59.949) 126.475,59.798 126.149,59.798 ccw(c126.149,59.647) 125.998,59.647 125.998,59.345 ccw(c126.149,59.345) 126.149,59.194 126.475,59.194 cw(c126.475,59.043) 126.626,59.043 126.626,58.741 cw(c126.475,58.741) 126.475,58.59 126.149,58.59 ccw(c126.149,58.439) 125.998,58.439 125.998,58.137 ccw(c126.149,58.137) 126.149,57.986 126.475,57.986 cw(c126.475,57.835) 126.626,57.835 126.626,57.533 cw(c126.475,57.533) 126.475,57.382 126.149,57.382 ccw(c126.149,57.231) 125.998,57.231 125.998,56.929 ccw(c126.149,56.929) 126.149,56.778 126.475,56.778 cw(c126.475,56.627) 126.626,56.627 126.626,56.325 cw(c126.475,56.325) 126.475,56.174 126.454,56.174 ccw(c126.454,56.02) 126.3,56.02 126.3,55.339 126.3,54.1 122.6,50.4 122.6,46.2 121.859,45.459 121.859,42.017 121.15,41.308 v2(121.15,34.05)